# Altium PCB SoDeRa-PCIe_1v0.PcbDoc (part 4 of 8)
Units mm, origin at the board's own origin, x right, y up, seen from the top; angles counter-clockwise.
Board outline 136.85 x 68.9 mm, 12 copper layers (Top, L2, L3, L4, L5, L6, L7, L8, L9, L10, L11, Bottom), stack 1.638 mm thick; 750 components, 495 nets, 3617 pads, 1756 vias.
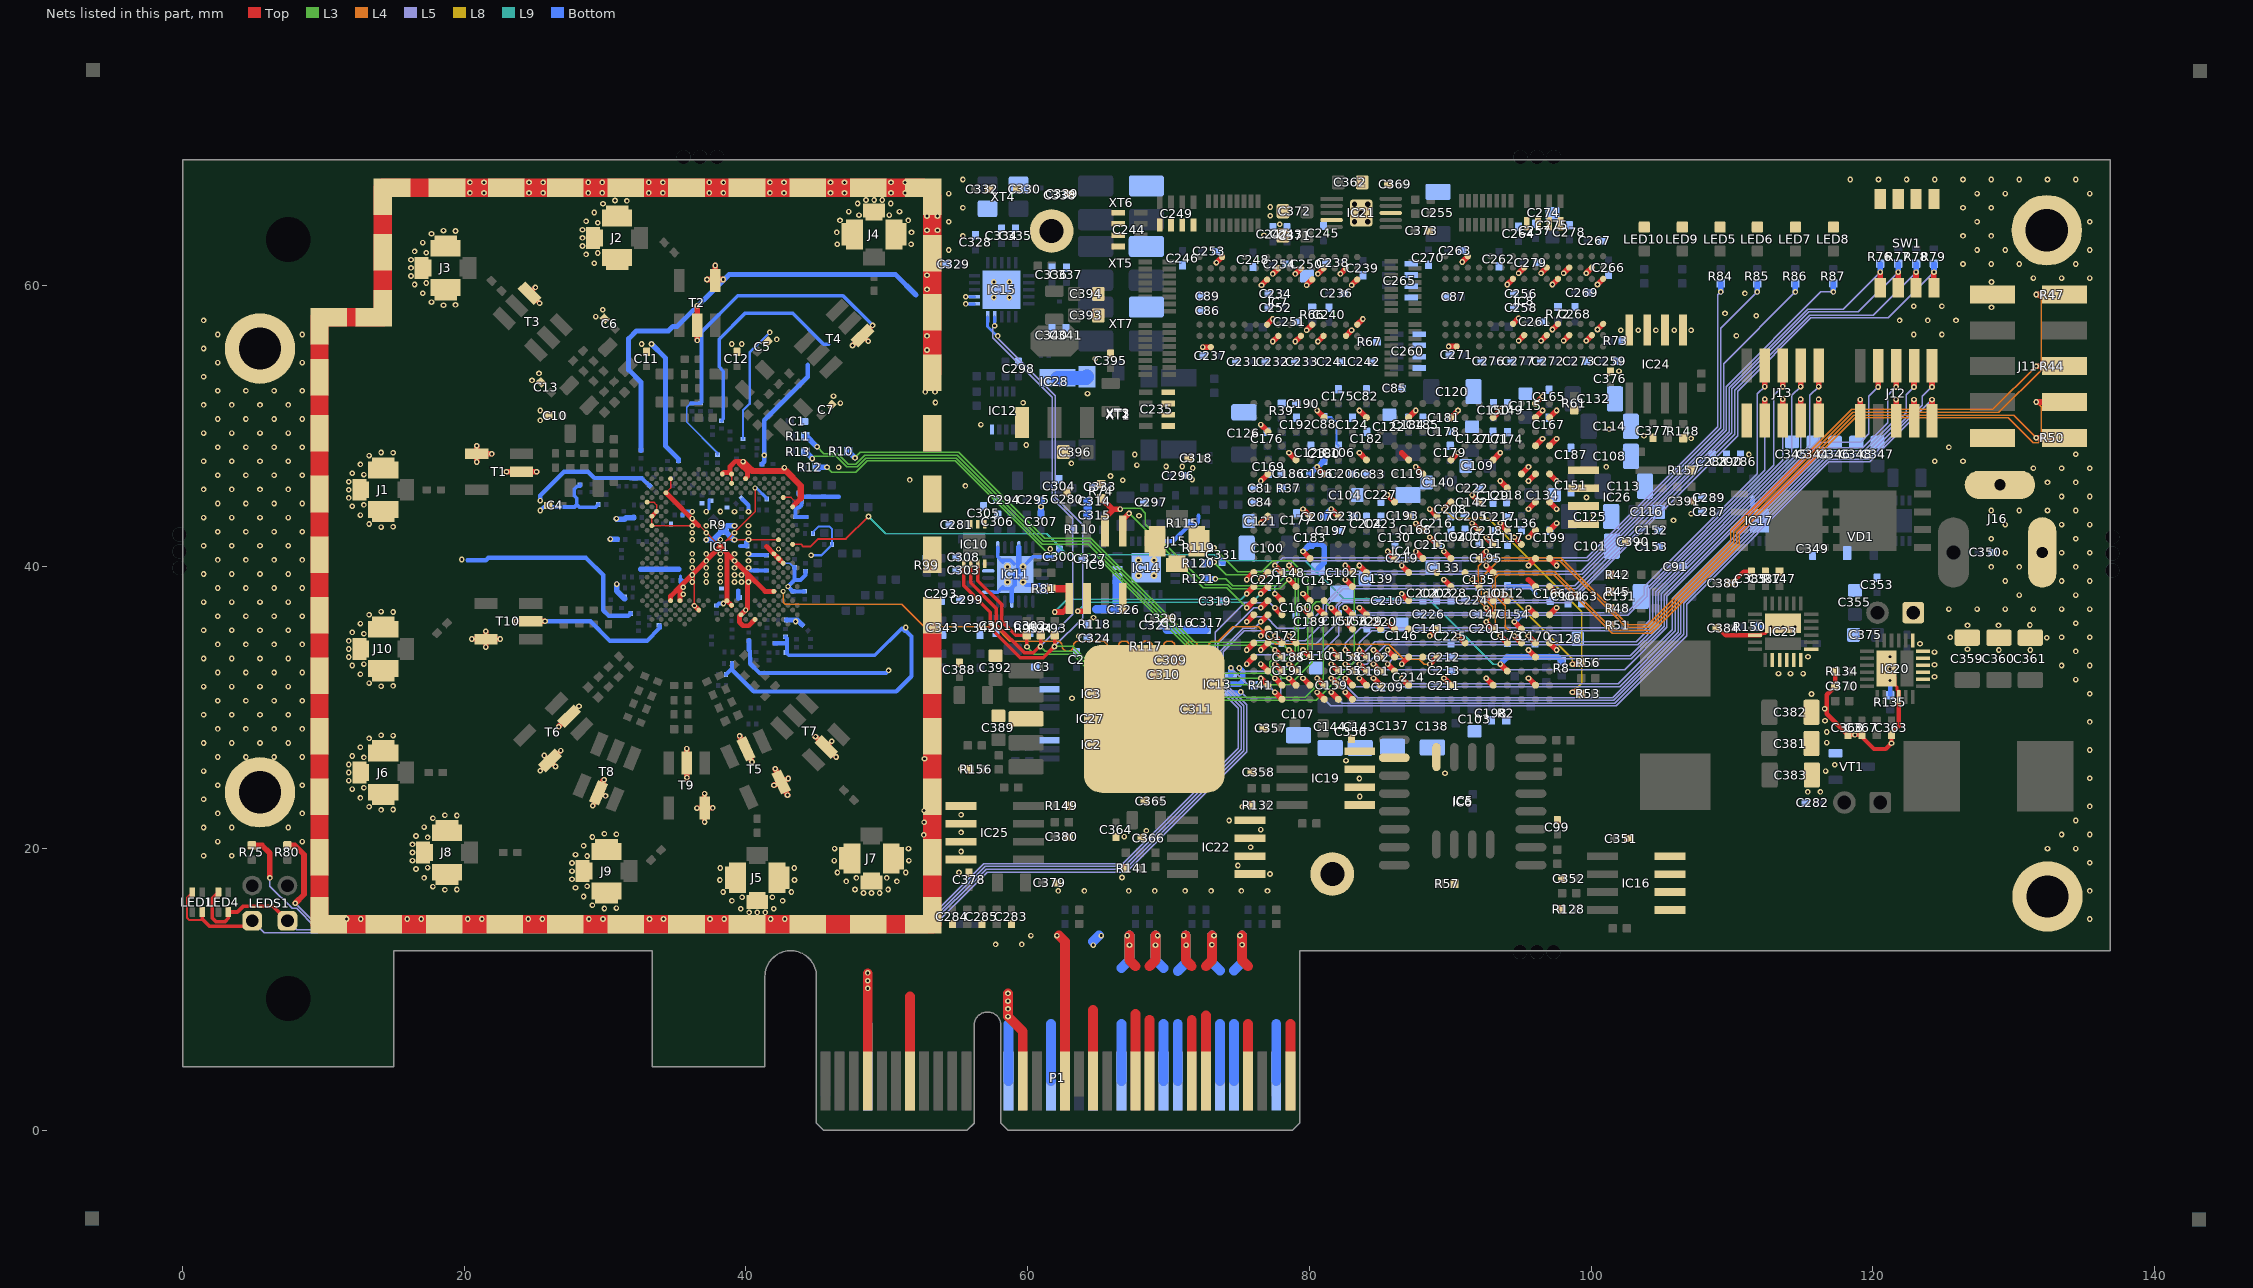
[diagram p14: the nets of this part, all layers, seen from the top]

## Via types
v1: diameter 0.4, hole 0.2, Top to Bottom, tented both sides, 1521 vias
v2: diameter 0.4, hole 0.2, Top to Bottom, tented top, 129 vias
v3: diameter 0.35, hole 0.2, Top to Bottom, tented top, 86 vias
v4: diameter 0.5, hole 0.2, Top to Bottom, tented both sides, 20 vias

## Nets (pads, with @x,y where several pads share a name; then routed paths per layer and width w, separated by ;. In a path a pad name is that pad's centre, name@x,y a point inside that pad or via, vN(x,y) a via of type N, cw(c..) or ccw(c..) an arc to the next point about the centre after c; other vN are vias at no path point) (continued)
FPGA_GPIO1: IC4.C16 J12.4 | length 52.4
  Top w0.4: v1(81.55,33.1) IC4.C16@82.05,32.6 ; v1(120.375,52.775) J12.4@120.375,54.275
  L5 w0.1: v1(81.55,33.1) 81.95,32.7 102.37,32.7 105.375,35.705 105.375,37.92 116.305,48.85 119.134,48.85 119.725,49.441 119.725,52.125 v1(120.375,52.775)
FPGA_GPIO2: IC4.B15 J12.5 | length 52.1
  Top w0.4: v1(82.55,32.1) IC4.B15@83.05,31.6 ; J12.5@121.65,50.375 v1(121.65,51.875)
  L5 w0.1: v1(82.55,32.1) 83.15,31.5 102.019,31.5 105.975,35.456 105.975,37.672 116.553,48.25 119.392,48.25 121.65,50.508 v1(121.65,51.875)
FPGA_GPIO3: IC4.B13 J12.6 | length 50.7
  Top w0.4: v1(84.55,32.1) IC4.B13@85.05,31.6 ; v1(121.65,52.775) J12.6@121.65,54.275
  L5 w0.1: v1(84.55,32.1) 84.95,31.7 101.936,31.7 105.775,35.539 105.775,37.754 116.471,48.45 119.3,48.45 121.075,50.225 121.075,52.2 v1(121.65,52.775)
FPGA_GPIO4: IC4.A15 J12.7 | length 53.4
  Top w0.4: v1(82.55,31.1) IC4.A15@83.05,30.6 ; J12.7@122.925,50.375 v1(122.925,51.875)
  L5 w0.1: v1(82.55,31.1) 83.125,30.525 101.609,30.525 106.375,35.291 106.375,37.506 116.719,47.85 119.609,47.85 122.925,51.166 v1(122.925,51.875)
FPGA_GPIO5: IC4.B16 J12.8 | length 55.3
  Top w0.4: v1(81.55,32.1) IC4.B16@82.05,31.6 ; v1(122.925,52.775) J12.8@122.925,54.275
  L5 w0.1: v1(81.55,32.1) 82.045,32.1 83.42,30.725 101.526,30.725 106.175,35.374 106.175,37.589 116.636,48.05 119.475,48.05 122.375,50.95 122.375,52.225 v1(122.925,52.775)
FPGA_GPIO6: IC4.A17 J12.9 | length 56.6
  Top w0.4: v1(80.55,31.1) IC4.A17@81.05,30.6 ; J12.9@124.2,50.375 v1(124.2,51.875)
  L5 w0.1: v1(80.55,31.1) 81.525,30.125 101.775,30.125 106.775,35.125 106.775,37.34 116.885,47.45 119.775,47.45 v1(124.2,51.875)
FPGA_GPIO7: IC4.A16 J12.10 | length 56.1
  Top w0.4: v1(81.55,31.1) IC4.A16@82.05,30.6 ; v1(124.2,52.775) J12.10@124.2,54.275
  L5 w0.1: v1(81.55,31.1) 82.325,30.325 101.692,30.325 106.575,35.208 106.575,37.423 116.802,47.65 119.692,47.65 123.525,51.483 123.525,52.1 v1(124.2,52.775)
FPGA_GPIO8: IC4.G15 J13.3 | length 41.9
  Top w0.4: v1(82.55,37.1) IC4.G15@83.05,36.6 ; J13.3@112.325,50.4 v1(112.325,51.9)
  L5 w0.1: v1(82.55,37.1) 83.1,36.55 102.6,36.55 103.975,37.925 103.975,38.5 112.325,46.85 v1(112.325,51.9)
FPGA_GPIO9: IC4.G14 J13.4 | length 41.4
  Top w0.4: v1(83.55,37.1) IC4.G14@84.05,36.6 ; v1(112.325,52.8) J13.4@112.325,54.3
  L5 w0.1: v1(83.55,37.1) 83.9,36.75 102.517,36.75 103.775,38.008 103.775,38.583 111.8,46.608 111.8,52.275 v1(112.325,52.8)
FPGA_GPIO10: IC4.D14 J13.5 | length 43.8
  Top w0.4: v1(83.55,34.1) IC4.D14@84.05,33.6 ; J13.5@113.6,50.4 v1(113.6,51.9)
  L5 w0.1: v1(83.55,34.1) 83.55,34.605 84.42,35.475 103.731,35.475 104.375,36.119 104.375,38.334 113.6,47.559 v1(113.6,51.9)
FPGA_GPIO11: IC4.D15 J13.6 | length 45.5
  Top w0.4: v1(82.55,34.1) IC4.D15@83.05,33.6 ; v1(113.6,52.8) J13.6@113.6,54.3
  L5 w0.1: v1(82.55,34.1) 82.55,34.595 83.63,35.675 103.648,35.675 104.175,36.202 104.175,38.417 112.975,47.217 112.975,52.175 v1(113.6,52.8)
FPGA_GPIO12: IC4.C14 J13.7 | length 44.7
  Top w0.4: v1(83.55,33.1) IC4.C14@84.05,32.6 ; J13.7@114.875,50.4 v1(114.875,51.9)
  L5 w0.1: v1(83.55,33.1) 84.055,33.1 85.43,34.475 103.297,34.475 104.775,35.953 104.775,38.169 114.875,48.269 v1(114.875,51.9)
FPGA_GPIO13: IC4.C15 J13.8 | length 46.5
  Top w0.4: v1(82.55,33.1) IC4.C15@83.05,32.6 ; v1(114.875,52.8) J13.8@114.875,54.3
  L5 w0.1: v1(82.55,33.1) 83.05,33.1 84.625,34.675 103.214,34.675 104.575,36.036 104.575,38.251 114.25,47.926 114.25,52.175 v1(114.875,52.8)
FPGA_GPIO14: IC4.C12 J13.9 | length 43.6
  Top w0.4: v1(85.55,33.1) IC4.C12@86.05,32.6 ; J13.9@116.15,50.4 v1(116.15,51.9)
  L5 w0.1: v1(85.55,33.1) 85.925,33.475 102.862,33.475 105.175,35.788 105.175,38.003 116.15,48.978 v1(116.15,51.9)
FPGA_GPIO15: IC4.C13 J13.10 | length 45.3
  Top w0.4: v1(84.55,33.1) IC4.C13@85.05,32.6 ; v1(116.15,52.8) J13.10@116.15,54.3
  L5 w0.1: v1(84.55,33.1) 85.125,33.675 102.779,33.675 104.975,35.871 104.975,38.086 115.525,48.636 115.525,52.175 v1(116.15,52.8)
FPGA_I2C_SCL: IC4.G17 IC10.2 IC15.4 R94.2 | length 64.8
  Top w0.25: IC10.2@55.95,40.225 55.95,38.875 57.775,37.05 57.775,35.899 59.774,33.9 60.126,33.9 60.4,33.9 60.925,34.425 R94.2@60.925,35.15
  Top w0.4: v1(80.55,37.1) IC4.G17@81.05,36.6
  L3 w0.1: v1(60.9,34.35) 61.25,34 63.267,34 66.517,30.75 79.695,30.75 81,32.055 81,36.65 v1(80.55,37.1)
  L5 w0.1: v1(57.65,57.125) 57.525,57 57.525,56.255 61.75,52.03 61.75,44.872 63.2,43.422 63.2,36.65 v1(60.9,34.35)
  Bottom w0.2: v1(57.65,57.125) IC15.4@57.65,57.75
FPGA_I2C_SDA: IC4.G16 IC10.1 IC15.5 R93.2 | length 65.3
  Top w0.25: IC10.1@55.45,40.225 55.45,38.675 57.35,36.775 57.35,35.675 59.475,33.55 61.1,33.55 v1(61.9,34.35) 61.925,34.375 R93.2@61.925,35.15
  Top w0.4: v1(81.55,37.1) IC4.G16@82.05,36.6
  L3 w0.1: v1(61.9,34.35) 63.2,34.35 65.9,31.65 78.605,31.65 80.2,33.245 80.2,37.245 80.48,37.525 81.125,37.525 v1(81.55,37.1)
  L5 w0.1: v1(57.875,56.4) 57.875,56.23 61.95,52.155 61.95,44.955 63.9,43.005 63.9,36.35 v1(61.9,34.35)
  Bottom w0.2: IC15.5@57.15,57.75 57.15,57.059 v1@57.809,56.4
FPGA_JTAG_TCK: IC4.E4 J11.1 R50.1 | length 55.2
  Top w0.4: v1(93.55,35.1) IC4.E4@94.05,34.6 ; v1(131.6,49.164) J11.1@133.1,49.164
  L4 w0.1: v1(93.55,35.1) 93.2,35.45 93.2,37.672 93,37.872 93,39.328 93.322,39.65 97.425,39.65 101.575,35.5 104.192,35.5 110.325,41.633 110.325,42.442 110.442,42.559 118.658,50.775 129.989,50.775 v1(131.6,49.164)
  Bottom w0.4: v1(131.6,49.164) R50.1@132.25,49.164
FPGA_JTAG_TDI: IC4.F5 J11.9 R47.2 | length 62.3
  Top w0.4: v1(92.55,36.1) IC4.F5@93.05,35.6 ; v1(131.6,59.336) J11.9@133.1,59.336
  L4 w0.1: v1(92.55,36.1) 93,36.55 93,37.155 92.2,37.955 92.2,39.245 93.405,40.45 97.756,40.45 102.506,35.7 104.109,35.7 110.125,41.716 110.125,42.525 118.575,50.975 128.95,50.975 131.95,53.975 131.95,58.986 v1(131.6,59.336)
  Bottom w0.4: v1(131.6,59.336) R47.2@132.25,59.336
FPGA_JTAG_TDO: IC4.E3 J11.3 | length 57.9
  Top w0.4: v1(94.55,35.1) IC4.E3@95.05,34.6 ; v1(131.6,51.707) J11.3@133.1,51.707
  L4 w0.1: v1(94.55,35.1) 93.9,35.75 93.9,37.255 93.2,37.955 93.2,39.245 93.405,39.45 97.342,39.45 101.492,35.3 104.275,35.3 110.525,41.55 110.525,42.359 118.741,50.575 129.625,50.575 131.386,48.814 131.745,48.814 131.95,49.019 131.95,51.357 v1(131.6,51.707)
FPGA_JTAG_TMS: IC4.G5 J11.5 R44.2 | length 55.9
  Top w0.4: v1(92.55,37.1) IC4.G5@93.05,36.6 ; v1(131.6,54.25) J11.5@133.1,54.25
  L4 w0.1: v1(92.55,37.1) 92,37.65 92,40.045 92.605,40.65 97.839,40.65 102.589,35.9 104.026,35.9 109.925,41.799 109.925,42.608 118.492,51.175 128.525,51.175 v1(131.6,54.25)
  Bottom w0.4: v1(131.6,54.25) R44.2@132.25,54.25
FPGA_LED1_G: IC4.H21 R75.1 | length 92.2
  Top w0.4: R75.1@4.925,20.225 5.65,20.225 6.2,19.675 v1(6.2,17.925) ; v1(76.55,37.1) IC4.H21@77.05,37.6
  L5 w0.1: v1(6.2,17.925) 6.2,17.325 7.775,15.75 8.092,15.75 9.417,14.425 52.663,14.425 56.974,18.736 66.845,18.736 75.15,27.041 75.15,30.046 73.5,31.696 73.5,34.545 76.055,37.1 v1(76.55,37.1)
FPGA_LED1_R: IC4.E20 LED1.2 LED1.3 LEDS1.K1 | length 96.8
  Top w0.15: LED1.2@0.7,16.9 0.325,16.525 0.325,15.075 0.475,14.925 1.325,14.925 1.4,15
  Top w0.25: LED1.3@1.4,15.5 1.4,15 1.925,14.475 4.55,14.475 LEDS1.K1@4.95,14.875
  Top w0.4: v1(77.55,35.1) IC4.E20@78.05,34.6
  L5 w0.1: LEDS1.K1@4.95,14.875 5.8,14.025 8.45,14.025 52.829,14.025 57.139,18.336 67.011,18.336 75.55,26.875 75.55,30.212 73.9,31.862 73.9,33.975 75.375,35.45 77.2,35.45 v1(77.55,35.1)
FPGA_LED2_G: IC4.G20 R80.1 | length 92.8
  Top w0.4: R80.1@7.45,20.225 7.975,20.225 8.625,19.575 8.625,16.75 v1(8,16.125) ; v1(77.55,37.1) IC4.G20@78.05,36.6
  L5 w0.1: v1(8,16.125) 9.5,14.625 52.58,14.625 56.891,18.936 66.762,18.936 74.95,27.124 74.95,29.964 73.3,31.614 73.3,35.345 75.405,37.45 77.2,37.45 v1(77.55,37.1)
FPGA_LED2_R: IC4.G21 LED4.2 LED4.3 LEDS1.K2 | length 94.2
  Top w0.25: LED4.2@2.55,16.9 2.125,16.475 2.125,15.05 2.35,14.825 3.025,14.825 3.25,15.05 LED4.3@3.25,15.5 3.9,15.5 4.325,15.925 6.4,15.925 LEDS1.K2@7.45,14.875
  Top w0.4: v1(76.55,36.1) IC4.G21@77.05,36.6
  L5 w0.1: LEDS1.K2@7.45,14.875 8.1,14.225 52.746,14.225 57.056,18.536 66.928,18.536 75.35,26.958 75.35,30.129 73.7,31.779 73.7,34.058 75.292,35.65 76.1,35.65 v1(76.55,36.1)
FPGA_LED3: IC4.K20 R84.1 | length 46.5
  Top w0.4: v1(77.55,40.1) IC4.K20@78.05,39.6
  L5 w0.1: v1(77.55,40.1) 78.1,40.65 99.695,40.65 109,49.955 109,59.325 v1(109.2,59.525)
  Bottom w0.4: v1(109.2,59.525) R84.1@109.2,60.125
FPGA_LED4: IC4.K19 R85.1 | length 46.7
  Top w0.4: v1(78.55,40.1) IC4.K19@79.05,39.6
  L5 w0.1: v1(78.55,40.1) 78.9,40.45 99.778,40.45 109.2,49.872 109.2,56.93 v1(111.795,59.525)
  Bottom w0.4: v1(111.795,59.525) R85.1@111.795,60.125
FPGA_LED5: IC4.K22 R86.1 | length 51.4
  Top w0.4: v1(75.55,39.1) IC4.K22@76.05,39.6
  L5 w0.1: v1(75.55,39.1) 76.125,39.675 99.286,39.675 109.4,49.789 109.4,54.425 v1(114.5,59.525)
  Bottom w0.4: v1(114.5,59.525) R86.1@114.5,60.125
FPGA_LED6: IC4.H20 R87.1 | length 51.9
  Top w0.4: v1(77.55,38.1) IC4.H20@78.05,37.6
  L5 w0.1: v1(77.55,38.1) 77.55,38.595 78.43,39.475 99.369,39.475 109.6,49.706 109.6,52.806 116.319,59.525 v1(117.2,59.525)
  Bottom w0.4: v1(117.2,59.525) R87.1@117.2,60.125
FPGA_NCONFIG: IC4.H4 R56.2 | length 8.7
  Top w0.4: v1(93.55,38.1) IC4.H4@94.05,37.6 ; v1(98.675,33.1) R56.2@99.3,33.1
  L8 w0.1: v1(93.55,38.1) 94.045,38.1 98.675,33.47 v1(98.675,33.1)
FPGA_NSTATUS: IC4.R8 R53.2 | length 20.1
  Top w0.4: v1(89.55,44.1) IC4.R8@90.05,44.6 ; v1(98.675,31.1) R53.2@99.3,31.1
  L8 w0.1: v1(89.55,44.1) 90.2,43.45 92.7,43.45 99.325,36.825 99.325,31.75 v1(98.675,31.1)
FPGA_SPI0_LMS_SS: IC4.D19 R10.2 | length 38.2
  Top w0.4: v1(78.55,34.1) IC4.D19@79.05,33.6
  L3 w0.1: v1(47.738,47.737) 48.125,48.125 55.1,48.125 61.2,42.025 64.483,42.025 71.858,34.65 78,34.65 v1(78.55,34.1)
  Bottom w0.4: R10.2@47.25,48.225 v1(47.738,47.737)
FPGA_SPI0_MISO: IC4.B20 R13.2 | length 41.3
  Top w0.4: v1(77.55,32.1) IC4.B20@78.05,31.6
  L3 w0.1: v1(44.713,47.687) 44.875,47.85 46.395,47.85 47.145,47.1 47.892,47.1 48.517,47.725 54.934,47.725 61.034,41.625 64.317,41.625 73.492,32.45 77.2,32.45 v1(77.55,32.1)
  Bottom w0.4: R13.2@44.225,48.175 v1(44.713,47.687)
FPGA_SPI0_MOSI: IC4.B21 R12.2 | length 39.1
  Top w0.4: v1(76.55,32.1) IC4.B21@77.05,31.6
  L3 w0.1: v1(45.75,47.075) 46.1,46.725 47.8,46.725 48.6,47.525 54.851,47.525 61.451,40.925 64.734,40.925 73.559,32.1 v1(76.55,32.1)
  Bottom w0.4: R12.2@45.025,47.075 v1(45.75,47.075)
FPGA_SPI0_SCLK: IC4.D20 R11.2 | length 40.8
  Top w0.4: v1(77.55,34.1) IC4.D20@78.05,33.6
  L3 w0.1: v1(45.05,48.525) 45.525,48.05 46.5,48.05 47.25,47.3 47.809,47.3 48.434,47.925 55.017,47.925 61.117,41.825 64.4,41.825 71.775,34.45 77.2,34.45 v1(77.55,34.1)
  Bottom w0.4: R11.2@44.225,49.275 44.3,49.275 v1(45.05,48.525)
FPGA_SPI1_ADF_SS: IC4.B19 R121.1 | length 16.9
  Top w0.4: v1(78.55,32.1) IC4.B19@79.05,31.6
  L3 w0.1: v1(73.325,39.15) 74.066,39.15 74.566,38.65 77.605,38.65 78.405,39.45 78.695,39.45 79,39.145 79,34.055 78.395,33.45 77.405,33.45 77.2,33.245 77.2,32.955 78.055,32.1 v1(78.55,32.1)
  Bottom w0.4: R121.1@72.65,39.15 v1(73.325,39.15)
FPGA_SPI1_DAC_SS: IC4.A20 IC13.1 | length 5.1
  Top w0.4: v1(77.55,31.1) IC4.A20@78.05,30.6
  L5 w0.1: v1(74.425,32.832) 75.707,31.55 77.1,31.55 v1(77.55,31.1) ; v1@74.425,32.925 v1@74.471,32.879
  Bottom w0.4: IC13.1@74.425,32.325 v1(74.425,32.832)
FPGA_SPI1_MOSI: IC4.C19 IC13.3 R120.1 | length 20.9
  Top w0.4: v1(78.55,33.1) IC4.C19@79.05,32.6
  L3 w0.1: v1(73.225,40.325) 74.1,39.45 76.688,39.45 76.988,39.75 78.775,39.75 79.2,39.325 79.2,33.75 v1(78.55,33.1)
  L5 w0.1: v1(75.132,31.125) 75.557,30.7 77.7,30.7 77.975,30.975 77.975,32.525 v1(78.55,33.1)
  Bottom w0.15: R120.1@72.65,40.25 R120.1@72.825,40.25
  Bottom w0.4: R120.1@72.65,40.25 72.725,40.325 v1(73.225,40.325) ; IC13.3@74.425,31.025 75.032,31.025 v1(75.132,31.125)
FPGA_SPI1_SCLK: IC4.C20 IC13.2 R119.1 | length 22.6
  Top w0.4: v1(77.55,33.1) IC4.C20@78.05,32.6
  L3 w0.1: v1(73.225,41.35) 74.925,39.65 76.605,39.65 77.405,40.45 78.695,40.45 79.9,39.245 79.9,33.955 78.695,32.75 77.9,32.75 v1(77.55,33.1)
  L5 w0.1: v1(75.025,32.825) 75.25,32.6 77.05,32.6 v1(77.55,33.1)
  Bottom w0.4: R119.1@72.65,41.35 v1(73.225,41.35) ; IC13.2@74.425,31.675 75.05,31.675 75.275,31.9 75.275,32.575 v1(75.025,32.825)
FPGA_SPI2_FLASH_SS: IC4.J22 IC9.1 R81.2 | length 18.5
  Top w0.4: v1(61.925,36.8) 62.5,36.8 62.945,37.245 IC9.1@62.945,37.75 ; v1(75.55,38.1) IC4.J22@76.05,38.6
  Top w0.5: R81.2@61.675,38.45 62.775,38.45 62.945,38.28 IC9.1@62.945,37.75
  L9 w0.1: v1(61.925,36.8) 62.825,37.7 75.15,37.7 v1(75.55,38.1)
FPGA_SPI2_MISO: IC4.J21 IC9.2 | length 14.9
  Top w0.4: v1(63.55,36.85) IC9.2@64.18,36.85 ; v1(76.55,38.1) IC4.J21@77.05,38.6
  L9 w0.1: v1(63.55,36.85) 64.2,37.5 75.95,37.5 v1(76.55,38.1)
FPGA_SPI2_MOSI: IC4.H22 IC9.5 | length 13.3
  Top w0.4: IC9.5@66.755,42.55 66.755,43.355 v1(67.2,43.8) ; v1(75.55,37.1) IC4.H22@76.05,37.6
  L3 w0.1: v1(67.2,43.8) 72.475,38.525 74.125,38.525 v1(75.55,37.1)
FPGA_SPI2_SCLK: IC4.J19 IC9.6 R74.2 | length 19.3
  Top w0.4: R74.2@65.225,44.875 66,44.1 66.125,44.1 ; IC9.6@65.485,42.55 65.485,43.46 66.125,44.1 ; v1(66.575,44.1) 66.125,44.1 ; v1(78.55,39.1) IC4.J19@79.05,38.6
  L3 w0.1: v1(66.575,44.1) 66.625,44.15 68.025,44.15 68.363,43.812 68.363,43.012 72.65,38.725 74.208,38.725 74.483,38.45 77.9,38.45 v1(78.55,39.1)
FPGA_SW0: IC4.D22 R79.2 SW1.8 | length 65.3
  Top w0.4: v1(75.55,33.1) IC4.D22@76.05,33.6 ; SW1.8@124.335,60.225 124.335,60.92 v1(124.34,60.925)
  L5 w0.1: v1(75.55,33.1) 76.2,33.75 76.303,33.75 80.695,33.75 82.1,35.155 82.1,37.155 82.395,37.45 98.533,37.45 110.4,49.317 110.4,52.475 115.601,57.676 121.091,57.676 v1(124.34,60.925)
  Bottom w0.4: v1(124.34,60.925) R79.2@124.34,61.525
FPGA_SW1: IC4.E21 R78.2 SW1.7 | length 62.2
  Top w0.4: v1(76.55,34.1) IC4.E21@77.05,34.6 ; SW1.7@123.065,60.225 123.065,60.92 v1(123.07,60.925)
  L5 w0.1: v1(76.55,34.1) 77,34.55 80.495,34.55 81.9,35.955 81.9,37.238 82.312,37.65 98.45,37.65 110.2,49.4 110.2,52.558 115.518,57.876 120.021,57.876 v1(123.07,60.925)
  Bottom w0.4: v1(123.07,60.925) R78.2@123.07,61.525
FPGA_SW2: IC4.E22 R77.2 SW1.6 | length 61.8
  Top w0.4: v1(75.55,34.1) IC4.E22@76.05,34.6 ; SW1.6@121.795,60.225 121.795,60.92 v1(121.8,60.925)
  L5 w0.1: v1(75.55,34.1) 76.2,34.75 79.705,34.75 81.2,36.245 81.2,37.245 82.405,38.45 98.933,38.45 110,49.517 110,52.641 115.459,58.1 118.975,58.1 v1(121.8,60.925)
  Bottom w0.4: v1(121.8,60.925) R77.2@121.8,61.525
FPGA_SW3: IC4.G22 R76.2 SW1.5 | length 59.9
  Top w0.4: v1(75.55,36.1) IC4.G22@76.05,36.6 ; SW1.5@120.525,60.225 120.525,60.92 v1(120.53,60.925)
  L5 w0.1: v1(75.55,36.1) 75.9,36.45 76.925,36.45 77.725,35.65 79.605,35.65 80.975,37.02 80.975,37.303 82.322,38.65 98.85,38.65 109.8,49.6 109.8,52.724 115.376,58.3 117.905,58.3 v1(120.53,60.925)
  Bottom w0.4: v1(120.53,60.925) R76.2@120.53,61.525
GND: C1.2 C2.1 C3.1 C4.1 C5.1 C6.1 C7.1 C10.1 C11.1 C12.1 C13.1 C22.2 C23.2 C24.2 C25.2 C26.2 C27.2 C28.2 C29.2 C30.2 C31.2 C32.2 C33.2 C34.2 C35.2 C36.2 C37.2 C38.2 C39.2 C40.2 C41.2 C42.2 C43.2 C44.2 C45.2 C46.2 C47.2 C48.2 C49.2 C50.2 C51.2 C52.2 C53.2 C54.2 C55.2 C56.2 C57.2 C58.1 C59.2 C60.2 C61.2 C62.2 C63.2 C64.2 C65.2 C66.2 C67.2 C68.2 C69.2 C70.2 C71.2 C72.2 C73.2 C74.2 C75.2 C76.2 C77.2 C78.2 C79.2 C80.2 C81.2 C82.2 C83.2 C84.2 C85.2 C86.2 C87.2 C88.2 C89.2 C91.2 C99.2 C100.1 C101.1 C102.1 C103.1 C104.1 C105.2 C106.2 C107.1 C108.1 C109.1 C110.1 C111.2 C112.2 C113.1 C114.1 C115.1 C116.1 C117.1 C118.2 C119.1 C120.1 C121.1 C122.1 C123.1 C124.2 C125.1 C126.1 C127.1 C128.1 C129.1 C130.2 C131.1 C132.1 C133.1 C134.1 C135.1 C136.2 C137.1 C138.1 C139.1 C140.1 C141.1 C142.2 C143.1 C144.1 C145.1 C146.1 C147.1 C148.2 C149.2 C150.2 C151.2 C152.2 C153.2 C154.2 C155.2 C156.2 C157.2 C158.2 C159.2 C160.2 C161.2 C162.2 C163.2 C164.2 C165.2 C166.2 C167.2 C168.2 C169.2 C170.2 C171.2 C172.2 C173.2 C174.2 C175.2 C176.2 C177.2 C178.2 C179.2 C180.2 C181.2 C182.2 C183.2 C184.2 C185.2 C186.2 C187.2 C188.2 C189.2 C190.2 C191.2 C192.2 C193.2 C194.2 C195.2 C196.2 C197.2 C198.2 C199.2 C200.2 C201.2 C202.2 C203.2 C204.2 C205.2 C206.2 C207.2 C208.2 C209.2 C210.2 C211.2 C212.2 C213.2 C214.2 C215.2 C216.2 C217.2 C218.2 C219.2 C220.2 C221.2 C222.2 C223.2 C224.2 C225.2 C226.2 C227.2 C228.2 C229.2 C230.2 C231.2 C232.2 C233.2 C234.2 C235.5 C235.6 C235.7 C235.8 C236.2 C237.2 C238.2 C239.2 C240.2 C241.2 C242.2 C243.2 C244.5 C244.6 C244.7 C244.8 C245.2 C246.2 C247.2 C248.2 C249.5 C249.6 C249.7 C249.8 C250.1 C251.1 C252.1 C253.2 C254.2 C255.1 C256.2 C257.2 C258.2 C259.2 C260.5 C260.6 C260.7 C260.8 C261.2 C262.2 C263.2 C264.2 C265.5 C265.6 C265.7 C265.8 C266.2 C267.2 C268.2 C269.2 C270.2 C271.2 C272.2 C273.2 C274.5 C274.6 C274.7 C274.8 C275.1 C276.1 C277.1 C278.2 C279.2 C280.2 C281.2 C282.2 C283.2 C284.2 C285.2 C286.2 C287.2 C288.2 C289.2 C290.2 C293.1 C294.1 C295.1 C296.1 C297.1 C298.1 C299.1 C300.1 C301.1 C302.1 C303.1 C304.1 C305.1 C306.1 C307.1 C308.1 C309.1 C310.2 C311.2 C314.1 C315.1 C316.2 C317.2 C318.2 C319.2 C320.1 C321.2 C324.1 C326.1 C327.2 C328.2 C329.2 C330.1 C331.1 C332.1 C333.2 C334.2 C335.2 C336.1 C337.2 C338.1 C339.2 C340.1 C341.2 C342.1 C343.2 C344.1 C345.1 C346.1 C347.1 C348.1 C349.2 C350.2 C351.1 C352.1 C353.2 C355.1 C356.1 C357.1 C358.1 C359.1 C360.1 C361.1 C362.1 C363.2 C364.1 C365.1 C366.1 C367.2 C368.2 C369.1 C370.2 C371.1 C372.1 C373.2 C375.1 C376.1 C377.1 C378.1 C379.1 C380.1 C381.1 C382.1 C383.1 C384.2 C385.2 C386.2 C387.2 C388.1 C389.1 C390.1 C391.1 C392.1 C393.1 C394.1 C395.1 C396.1 IC1.AA31 IC1.AF32 IC1.AG29 IC1.AJ7 IC1.AJ9 IC1.AJ19 IC1.AK12 IC1.AK20 IC1.AL13 IC1.AL23 IC1.AM22 IC1.AN25 IC1.B18 IC1.B20 IC1.C7 IC1.C23 IC1.D20 IC1.E25 IC1.F6 IC1.G31 IC1.GND IC1.H2 IC1.J33 IC1.K4 IC1.L3 IC1.N3 IC1.T30 IC1.V30 IC1.W29 IC1.Y30 IC2.1 IC2.2 IC2.3 IC2.4 IC2.7 IC3.4 IC3.7 IC4.AA1 IC4.AA2 IC4.AA5 IC4.AA8 IC4.AA11 IC4.AA14 IC4.AA17 IC4.AB2 IC4.B2 IC4.B5 IC4.B8 IC4.B11 IC4.B14 IC4.B17 IC4.B18 IC4.C21 IC4.D2 IC4.D10 IC4.D11 IC4.D12 IC4.D13 IC4.D16 IC4.D18 IC4.E1 IC4.E2 IC4.E7 IC4.E19 IC4.F3 IC4.F9 IC4.F11 IC4.F12 IC4.F13 IC4.F15 IC4.F21 IC4.G1 IC4.G2 IC4.G18 IC4.H5 IC4.H11 IC4.H17 IC4.H18 IC4.J1 IC4.J2 IC4.J6 IC4.J8 IC4.J15 IC4.K5 IC4.K7 IC4.K9 IC4.K11 IC4.K15 IC4.K21 IC4.L1 IC4.L2 IC4.L6 IC4.L8 IC4.L10 IC4.L12 IC4.L18 IC4.M3 IC4.M5 IC4.M9 IC4.N1 IC4.N2 IC4.N4 IC4.N6 IC4.N10 IC4.P9 IC4.P11 IC4.P16 IC4.P18 IC4.P21 IC4.R1 IC4.R2 IC4.R6 IC4.R12 IC4.T4 IC4.U1 IC4.U2 IC4.U3 IC4.U10 IC4.U17 IC4.U21 IC4.V5 IC4.V8 IC4.V11 IC4.V14 IC4.V19 IC4.W1 IC4.W2 IC4.Y21 IC5.4 IC6.10 IC7.A3 IC7.A7 IC7.B2 IC7.B8 IC7.D2 IC7.D8 IC7.E3 IC7.E7 IC7.F2 IC7.F8 IC7.H2 IC7.H8 IC7.J3 IC7.J7 IC7.N1 IC7.P9 IC8.A3 IC8.A7 IC8.B2 IC8.B8 IC8.D2 IC8.D8 IC8.E3 IC8.E7 IC8.F2 IC8.F8 IC8.H2 IC8.H8 IC8.J3 IC8.J7 IC8.N1 IC8.P9 IC9.4 IC10.4 IC10.5 IC10.6 IC10.7 IC11.1 IC11.4 IC11.7 IC11.11 IC11.12 IC11.16 IC11.19 IC11.22 IC11.25 IC12.4 IC13.5 IC14.1 IC14.2 IC14.3 IC14.9 IC14.10 IC14.21 IC15.6 IC15.7 IC15.21 IC16.5 IC16.6 IC16.7 IC16.8 IC17.4 IC17.7 IC19.5 IC19.6 IC19.7 IC19.8 IC20.4 IC20.8 IC20.9 IC20.10 IC20.11 IC20.12 IC20.13 IC20.25 IC21.4 IC21.8 IC21.11 IC22.5 IC22.6 IC22.7 IC22.8 IC23.4 IC23.8 IC23.9 IC23.10 IC23.11 IC23.12 IC23.13 IC23.25 IC24.5 IC24.6 IC24.7 IC24.8 IC25.5 IC25.6 IC25.7 IC25.8 IC26.5 IC26.6 IC26.7 IC26.8 IC27.3 IC28.1 J1.2 J2.2 J3.2 J4.2 J5.2 J6.2 J7.2 J8.2 J9.2 J10.2 J11.2 J11.10 J12.1 J13.1 J15.2 J16.2 J16.3 J17.1 LED5.K LED6.K LED7.K LED8.K LED9.K LED10.K MECH1.MH1 MECH2.MH1 MECH3.MH1 MECH4.MH1 P1.A4 P1.A12 P1.A15 P1.A18 P1.A20 P1.A23 P1.A24 P1.A27 P1.A28 P1.A31 P1.B4 P1.B7 P1.B13 P1.B16 P1.B18 P1.B21 P1.B22 P1.B25 P1.B26 P1.B29 P1.B32 pad.12 pad.14 pad.15 R2.1 R9.2 R37.1 R39.1 R41.1 R42.2 R45.2 R48.2 R50.2 R51.2 R57.2 R61.2 R66.1 R67.1 R72.1 R73.1 R74.1 R99.1 R110.1 R115.1 R117.2 R118.1 R128.1 R132.1 R134.2 R135.1 R141.2 R147.2 R148.1 R149.1 R150.2 R156.2 R157.1 SW1.1 SW1.2 SW1.3 SW1.4 T1.2 T1.6 T2.2 T2.6 T3.3 T4.3 T5.2 T5.4 T6.2 T6.4 T7.2 T8.2 T9.2 T9.4 T10.2 T10.4 TP1.1 TP2.1 VD1.2 VT1.S XT1.2 XT2.2 XT3.2 XT4.2 XT4.4 XT5.2 XT6.2 XT7.2 | length 763.7